# Altium PCB OpenPLCv0.2.0.PcbDoc (part 4 of 6)
Units mm, origin at the board's own origin, x right, y up, seen from the top; angles counter-clockwise.
Board outline 180 x 120 mm, 4 copper layers (Top Copper, Int1 Copper (GND), Int2 Copper (GND), Bottom Copper), stack 1.57 mm thick; 541 components, 405 nets, 1586 pads, 1395 vias.
Unrouted connection lines stored in the file: 4.
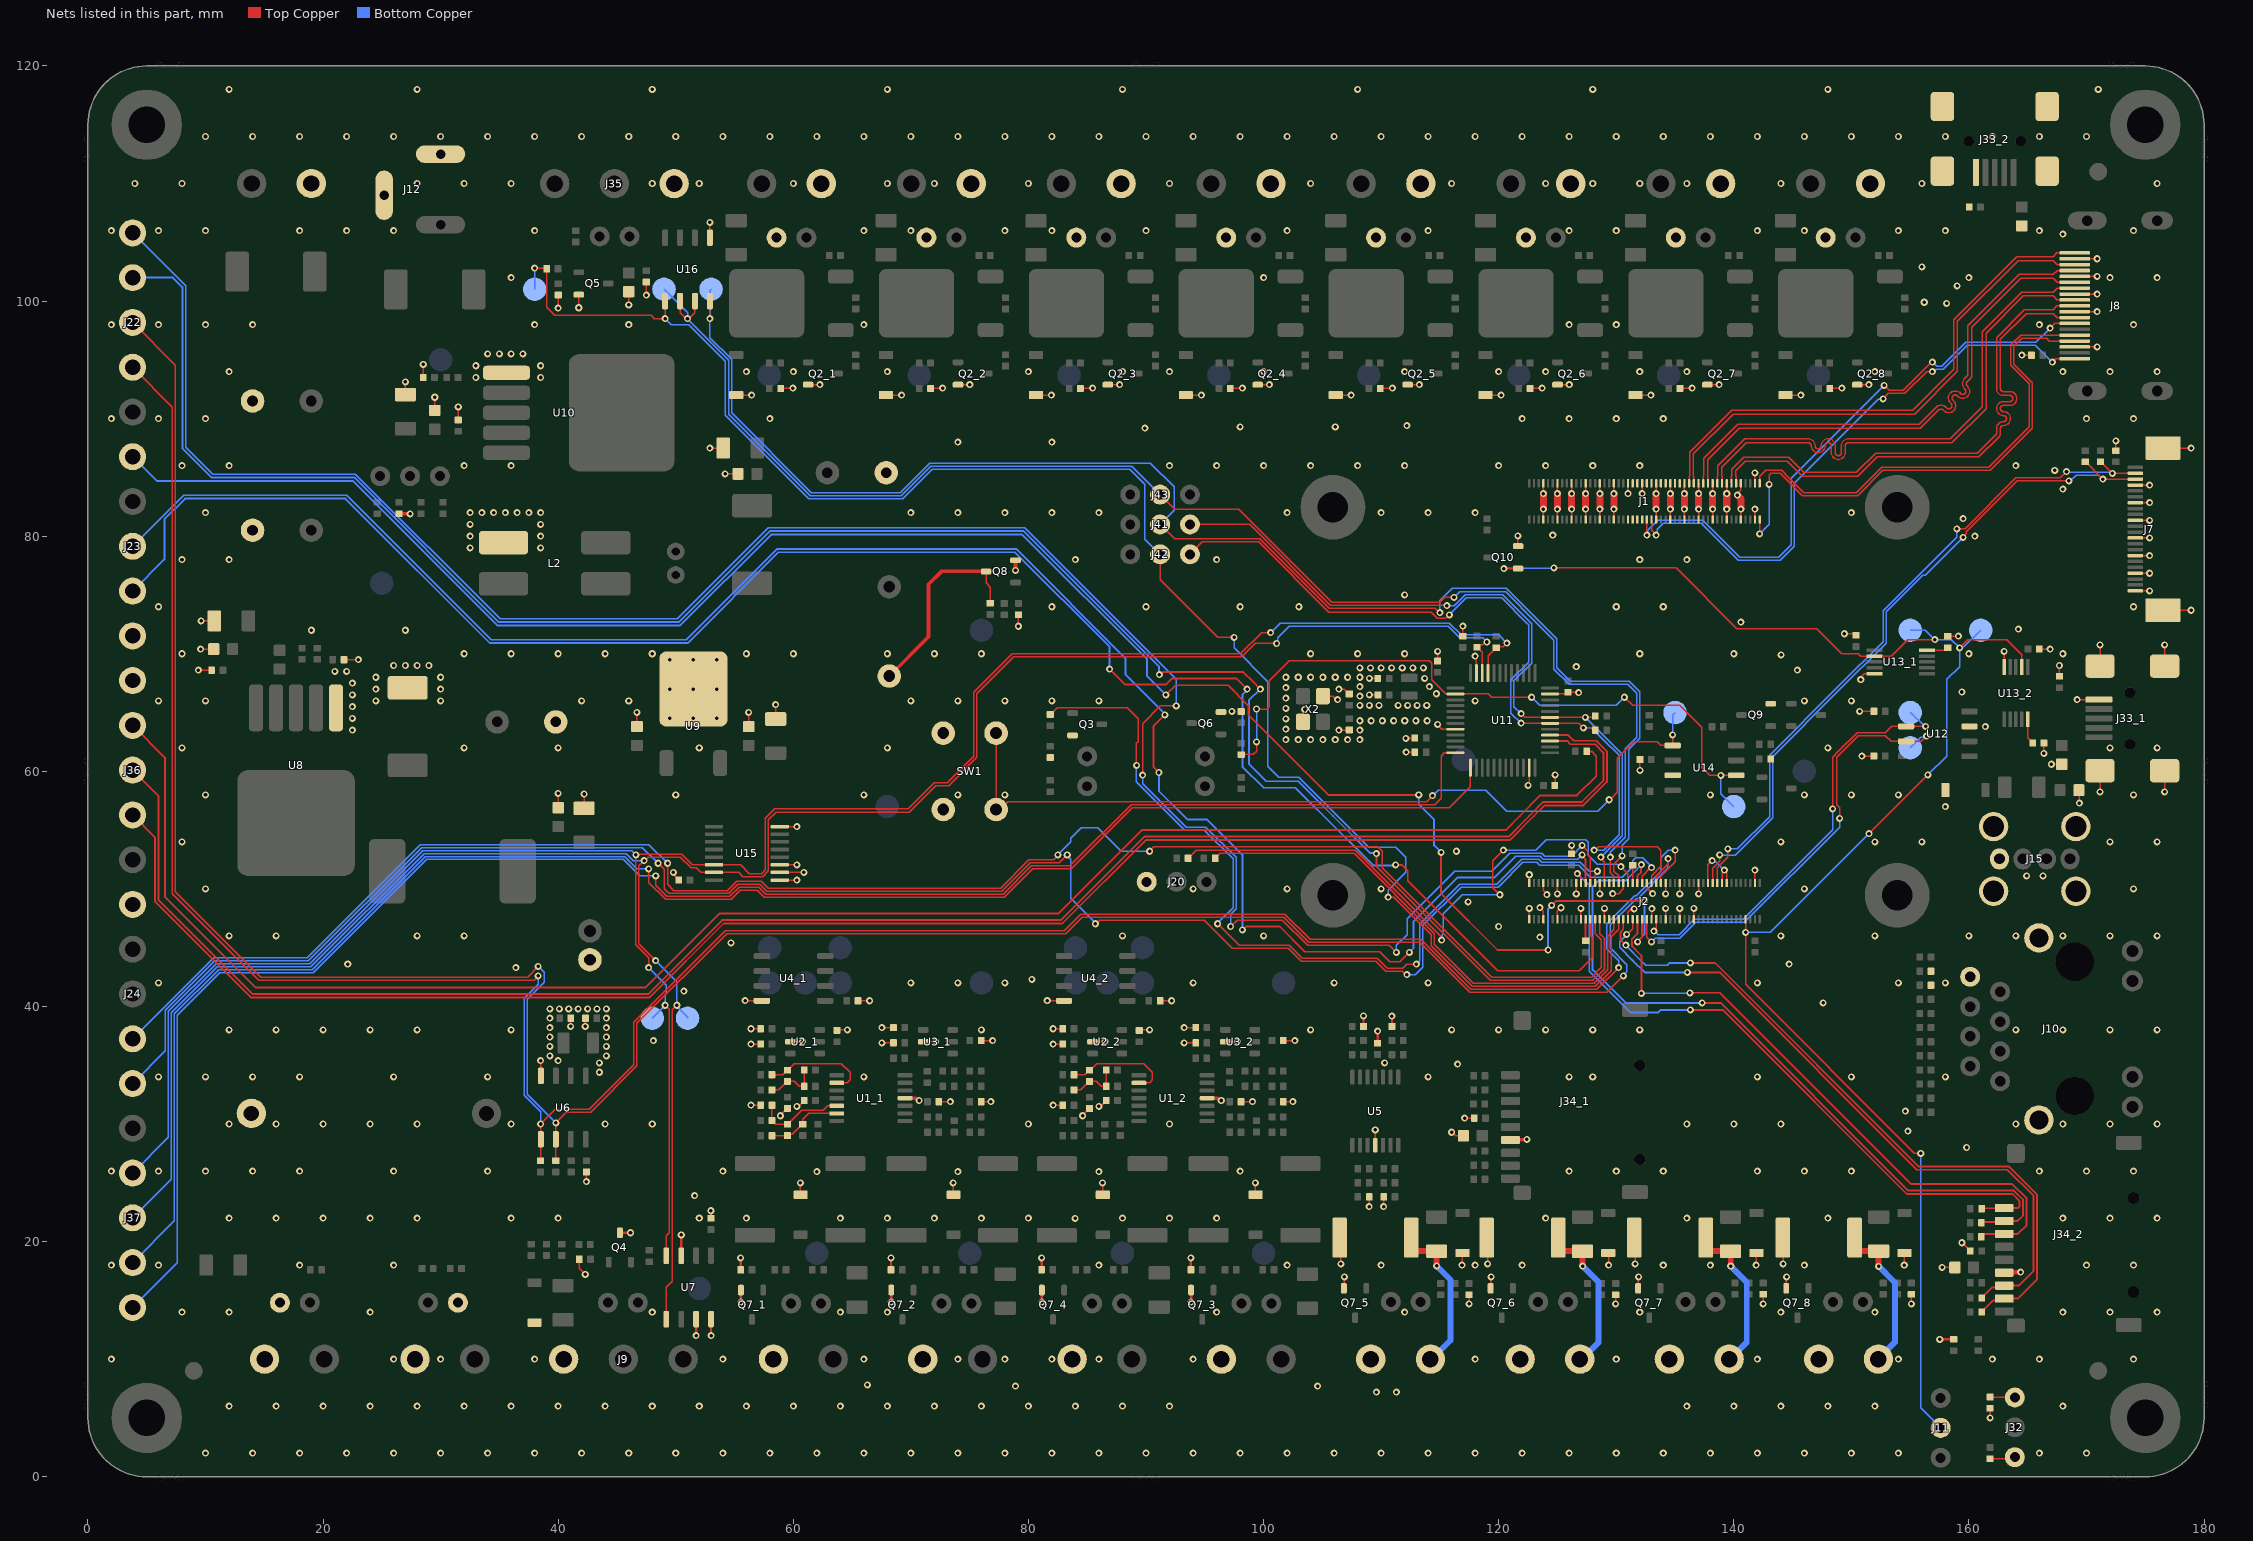
[diagram p6: the nets of this part, all layers, seen from the top]

## Via types
v1: diameter 0.6, hole 0.3, Top Copper to Bottom Copper, tented both sides, 1296 vias
v2: diameter 0.7, hole 0.3, Top Copper to Bottom Copper, tented bottom, 99 vias

## Nets (pads, with @x,y where several pads share a name; then routed paths per layer and width w, separated by ;. In a path a pad name is that pad's centre, name@x,y a point inside that pad or via, vN(x,y) a via of type N, cw(c..) or ccw(c..) an arc to the next point about the centre after c; other vN are vias at no path point) (continued)
GND: C2_1.1 C2_2.1 C3_1.1 C3_2.1 C6_1.1 C6_2.1 C7_1.1 C7_2.1 C9.1 C10.1 C11.1 C12.1 C13.1 C14.1 C15.1 C16.1 C19.1 C20.1 C21.1 C22.2 C23.1 C24.1 C25.1 C26.2 C27.2 C28.1 C29.1 C30.1 C33.1 C34.1 C35.1 C36.1 C37.1 C38.1 C39.2 C40.1 C42.1 C43.1 C44.1 C45.1 C46.1 C47.1 C48.1 C49.1 C50.1 C51.1 C52_1.1 C52_2.1 C53_1.1 C53_2.1 C54_1.1 C54_2.1 C55_1.1 C55_2.1 C56.1 C57.1 C58.1 C59.1 C60_1.2 C60_2.2 C62_1.2 C62_2.2 C63.1 D1_1.1 D1_2.1 D2_1.1 D2_2.1 D3.1 D4.1 D5.1 D6.1 D8.1 D10.1 D13.1 D16_1.1 D16_2.1 D16_3.1 D16_4.1 D16_5.1 D16_6.1 D16_7.1 D16_8.1 D17.K D18.K D20_1.K D20_2.K D20_3.K D20_4.K D20_5.K D20_6.K D20_7.K D20_8.K J1.7 J1.8 J1.13 J1.14 J1.19 J1.20 J1.25 J1.26 J1.31 J1.32 J1.37 J1.38 J1.44 J1.50 J1.55 J1.56 J1.61 J1.62 J1.67 J1.68 J1.73 J1.74 J1.79 J1.80 J1.85 J1.86 J1.91 J1.92 J1.97 J1.98 J2.1 J2.2 J2.7 J2.8 J2.13 J2.14 J2.22 J2.23 J2.32 J2.33 J2.42 J2.43 J2.52 J2.53 J2.59 J2.60 J2.65 J2.66 J2.71 J2.74 J2.98 J3_1.2 J3_2.2 J4_1.2 J4_2.2 J5.2 J6.2 J7.4 J7.7 J7.10 J7.13 J7.16 J7.19 J7.22 J7.MNT1 J7.MNT2 J8.2 J8.5 J8.8 J8.11 J8.17 J9.3 J10.0@165.95,30.34 J10.0@165.95,45.83 J10.8 J12.2 J12.3 J13.2 J15.4 J15.5 J15.6 J15.7 J15.8 J16_1.2 J16_2.2 J16_3.2 J16_4.2 J16_5.2 J16_6.2 J16_7.2 J16_8.2 J20.3 J23.1 J24.5 J27.2 J28.2 J29.2 J30.2 J31.2 J33_1.5 J33_1.6 J33_1.7 J33_1.8 J33_1.9 J33_2.5 J33_2.6 J33_2.7 J33_2.8 J33_2.9 J34_1.6 J34_2.6 J35.3 J36.5 J40.2 L2.1 Q2_1.2 Q2_2.2 Q2_3.2 Q2_4.2 Q2_5.2 Q2_6.2 Q2_7.2 Q2_8.2 Q3.2 Q4.3 Q5.2 Q6.2 Q7_1.2 Q7_2.2 Q7_3.2 Q7_4.2 Q7_5.2 Q7_6.2 Q7_7.2 Q7_8.2 Q8.2 Q9.2 Q10.2 R6_1.1 R6_2.1 R11_1.1 R11_2.1 R17_1.1 R17_2.1 R20_1.1 R20_2.1 R25.1 R26.2 R29.1 R30.2 R33.1 R34.2 R37.1 R38.2 R55.1 R62.1 R63.1 R69_1.2 R69_2.2 R69_3.2 R69_4.2 R69_5.2 R69_6.2 R69_7.2 R69_8.2 R71.1 R75.1 R78.1 R85.1 R88_1.1 R88_2.1 R88_3.1 R88_4.1 R88_5.1 R88_6.1 R88_7.1 R88_8.1 R90.1 R92.1 R94_1.1 R94_2.1 R103.1 R106.1 R108_1.1 R108_2.1 R109.1 R112_1.1 R112_2.1 R113_1.1 R113_2.1 SW1.3 SW1.4 U1_1.11 U1_2.11 U2_1.2 U2_2.2 U3_1.2 U3_2.2 U4_1.4 U4_2.4 U5.11 U6.4 U7.3 U7.7 U7.8 U8.1 U9.2 U10.1 U11.8 U11.23 U11.35 U11.47 U12.3 U13_1.5 U13_2.5 U14.3 U15.1 U15.2 U15.3 U15.8 U16.5 X2.2 X2.4 | length 280.1
  Top Copper w0.127: v1(9.4,68.6) C25.1@10.52,68.6 ; v1(9.58,70.4) C24.1@10.7,70.4 ; v1(9.63,72.8) C23.1@10.75,72.8 ; R55.1@21.78,69.5 v1(23,69.5) ; C33.1@27,92 v1(27,93.12) ; R62.1@28.52,93.5 v1(28.52,94.62) ; C34.1@29.5,90.7 v1(29.5,91.82) ; C35.1@31.5,89.88 v1(31.5,91) ; v1(38.5,35.4) 38.515,35.385 38.515,34.115 U6.4@38.53,34.1 ; C20.1@40,56.9 v1(40,58.12) ; v1(40,99.4) R78.1@40,100.52 ; v1(41.06,38.3) 41.06,38.98 C10.1@41.08,39 ; v1(41.75,99.43) Q5.2@41.75,100.55 ; R75.1@41.79,18.5 41.79,17.71 v1(42.3,17.2) ; C21.1@42.2,56.85 v1(42.2,58.07) ; v1(42.3,38.3) 42.3,38.98 C9.1@42.32,39 ; v1(42.4,25.1) C11.1@42.4,25.92 ; v1(46,99.68) C58.1@46,100.8 ; C28.1@46.7,63.8 v1(46.7,65.02) ; v1(47.5,100.5) C59.1@47.5,101.62 ; v1(49.79,51.4) 49.881,51.309 49.881,51.144 50.25,50.775 C57.1@50.25,50.75 ; v1(52.9,87.5) C38.1@54.05,87.5 ; U16.5@52.905,105.4 52.905,106.695 v1(52.91,106.7) ; v1(54.2,85.3) C37.1@55.3,85.3 ; D16_1.1@55.143,92.011 55.149,92.006 56.452,92.006 v1(56.457,92) ; v1(55.9,40.49) 55.906,40.484 57.317,40.484 U4_1.4@57.324,40.477 ; C30.1@56.2,63.8 v1(56.2,65.02) ; v1(56.4,31.6) R6_1.1@57.22,31.6 ; v1(56.4,36.8) R11_1.1@57.22,36.8 ; v1(56.4,38.1) R20_1.1@57.22,38.1 ; C29.1@58.5,64.45 v1(58.5,65.67) ; U15.1@58.85,50.75 v1(60.3,50.75) ; U15.2@58.85,51.4 v1(60.9,51.4) ; U15.3@58.85,52.05 v1(60.3,52.05) ; U15.8@58.85,55.3 v1(60.3,55.3) ; v1(58.9,30.7) 58.9,30.745 59.475,31.32 C60_1.2@59.5,31.32 ; R69_1.2@58.925,92.568 58.941,92.584 59.941,92.584 v1(59.957,92.6) ; U2_1.2@59.75,37 v1(60.8,37) ; v1(60.3,31.5) 60.391,31.591 60.536,31.591 60.92,31.975 C2_1.1@60.92,32 ; v1(60.6,25) 60.6,24.006 D1_1.1@60.624,23.982 ; Q2_1.2@61.259,92.888 61.265,92.894 62.251,92.894 v1(62.257,92.9) ; C3_1.1@63.72,37.96 63.76,38 v1(64.6,38) ; C7_1.1@65.504,40.482 v1(66.482,40.482) ; v1(67.542,36.9) R113_1.1@68.52,36.9 ; v1(67.542,38.2) R112_1.1@68.52,38.2 ; D16_2.1@67.892,92.011 67.897,92.006 69.201,92.006 v1(69.206,92) ; U3_1.2@71.05,37 v1(72.1,37) ; R69_2.2@71.674,92.568 71.69,92.584 72.69,92.584 v1(72.706,92.6) ; C62_1.2@72.38,31.9 v1(73.358,31.9) ; v1(73.6,25) 73.6,24.006 D2_1.1@73.624,23.982 ; Q2_2.2@74.008,92.888 74.014,92.894 75,92.894 v1(75.006,92.9) ; R17_1.1@75.98,31.9 v1(76.8,31.9) ; C6_1.1@75.98,37.1 v1(76.958,37.1) ; Q8.2@78.675,77.95 Q8.2@78.9,77.95 ; v1(79.15,72.342) R103.1@79.15,73.32 ; D16_3.1@80.641,92.011 80.646,92.006 81.95,92.006 v1(81.955,92) ; v1(81.6,40.49) 81.606,40.484 83.017,40.484 U4_2.4@83.024,40.477 ; v1(82.1,31.6) R6_2.1@82.92,31.6 ; v1(82.1,36.8) R11_2.1@82.92,36.8 ; v1(82.1,38.1) R20_2.1@82.92,38.1 ; R69_3.2@84.423,92.568 84.439,92.584 85.439,92.584 v1(85.455,92.6) ; v1(84.6,30.7) 84.6,30.745 85.175,31.32 C60_2.2@85.2,31.32 ; U2_2.2@85.45,37 v1(86.5,37) ; v1(86,31.5) 86.091,31.591 86.236,31.591 86.62,31.975 C2_2.1@86.62,32 ; v1(86.3,25) 86.3,24.006 D1_2.1@86.324,23.982 ; Q2_3.2@86.757,92.888 86.763,92.894 87.749,92.894 v1(87.755,92.9) ; C3_2.1@89.42,37.96 89.46,38 v1(90.3,38) ; C7_2.1@91.204,40.482 v1(92.182,40.482) ; v1(93.242,36.9) R113_2.1@94.22,36.9 ; v1(93.242,38.2) R112_2.1@94.22,38.2 ; D16_4.1@93.39,92.011 93.395,92.006 94.699,92.006 v1(94.704,92) ; U3_2.2@96.75,37 v1(97.8,37) ; R69_4.2@97.172,92.568 97.188,92.584 98.188,92.584 v1(98.204,92.6) ; C62_2.2@98.08,31.9 v1(99.058,31.9) ; v1(99.3,25) 99.3,24.006 D2_2.1@99.324,23.982 ; Q2_4.2@99.506,92.888 99.512,92.894 100.498,92.894 v1(100.504,92.9) ; R17_2.1@101.68,31.9 v1(102.5,31.9) ; C6_2.1@101.68,37.1 v1(102.658,37.1) ; X2.2@103.35,64.2 103.5,64.35 v1(103.5,65.273) ; X2.4@105.05,66.4 105.906,66.4 106.206,66.1 v1(106.3,66.1) ; D16_5.1@106.139,92.011 106.144,92.006 107.448,92.006 v1(107.453,92) ; v1(106.4,63.5) 107.28,63.5 C49.1@107.3,63.52 ; v1(106.4,67) 106.419,66.981 106.874,66.981 107.275,66.58 C48.1@107.3,66.58 ; R25.1@106.554,20.332 106.58,20.306 v1(106.58,18.1) ; Q7_5.2@106.84,16.027 106.86,16.047 106.86,16.98 v1(106.88,17) ; v1(108.98,22.98) R38.2@108.98,23.8 ; v1(108.995,66.5) C36.1@109.74,66.5 ; v1(108.995,67.9) C19.1@109.72,67.9 ; U5.11@109.5,28.2 v1(109.5,29.5) ; R69_5.2@109.921,92.568 109.937,92.584 110.937,92.584 v1(110.953,92.6) ; v1(110.22,22.98) R34.2@110.22,23.8 ; v1(112.1,62.8) C45.1@112.84,62.8 ; v1(112.13,61.63) C43.1@112.87,61.63 ; Q2_5.2@112.255,92.888 112.261,92.894 113.247,92.894 v1(113.253,92.9) ; v1(114.8,64) 114.8,63.963 115.173,63.59 116.315,63.59 U11.8@116.325,63.58 ; C47.1@114.8,69.38 v1(114.8,70.2) ; v1(116,29.3) 116.034,29.3 116.334,29 C54_1.1@117,29 ; v1(116.88,18) 116.88,19.008 D3.1@116.904,19.032 ; C46.1@116.95,71.49 v1(116.95,72.35) ; v1(117.1,30.5) C55_1.1@117.92,30.5 ; v1(117.48,14.7) R88_5.1@117.48,15.52 ; v1(118,69.8) 118.1,69.7 U11.47@118.1,68.355 ; D16_6.1@118.888,92.011 118.893,92.006 120.197,92.006 v1(120.202,92) ; R29.1@119.024,20.332 119.05,20.306 v1(119.05,18.1) ; Q7_6.2@119.31,16.027 119.33,16.047 119.33,16.98 v1(119.35,17) ; v1(121.625,80.03) 121.625,79.175 Q10.2@121.65,79.15 ; v1(122.5,58.8) 122.5,58.928 122.6,59.028 U11.23@122.6,60.305 ; J2.1@122.6,47.42 v1(122.6,48.34) ; J2.2@122.6,50.5 v1(122.6,51.2) ; R69_6.2@122.67,92.568 122.686,92.584 123.686,92.584 v1(123.702,92.6) ; v1(123.5,48.4) 123.8,48.1 J2.7@123.8,47.42 ; J2.8@123.8,50.5 123.8,49.902 124.096,49.606 v1(124.096,49.504) ; J1.7@123.8,81.42 v1(123.8,82.3) ; v1(123.8,83.62) J1.8@123.8,84.5 ; U11.35@124.375,66.58 125.76,66.58 C44.1@125.9,66.72 125.91,66.71 v1@126.79,66.71 ; C42.1@124.78,58.8 124.8,58.82 v1(124.8,59.7) ; J2.13@125,47.42 125,48.105 125.288,48.393 v1(125.3,48.393) ; v1(125,49.58) J2.14@125,50.5 ; J1.13@125,81.42 v1(125,82.3) ; v1(125,83.62) J1.14@125,84.5 ; Q2_6.2@125.004,92.888 125.01,92.894 125.996,92.894 v1(126.002,92.9) ; R90.1@126.2,52.98 v1(126.2,53.7) ; J1.19@126.2,81.42 v1(126.2,82.3) ; v1(126.2,83.62) J1.20@126.2,84.5 ; v1(126.6,49.58) J2.22@126.6,50.5 ; J2.23@127,47.42 v1(127,48.34) ; J1.25@127.4,81.42 v1(127.4,82.3) ; v1(127.4,83.62) J1.26@127.4,84.5 ; v1(128.6,49.58) J2.32@128.6,50.5 ; J1.31@128.6,81.42 v1(128.6,82.3) ; v1(128.6,83.62) J1.32@128.6,84.5 ; J2.33@129,47.42 v1(129,48.34) ; v1(129.35,18) 129.35,19.008 D4.1@129.374,19.032 ; v1(129.7,49.6) 130.2,49.6 130.6,50 J2.42@130.6,50.5 ; J1.37@129.8,81.42 v1(129.8,82.3) ; v1(129.8,83.62) J1.38@129.8,84.5 ; v1(129.95,14.7) R88_6.1@129.95,15.52 ; J2.43@131,47.42 131,48 131.292,48.292 v1(131.527,48.292) ; v1(131,83.62) J1.44@131,84.5 ; R33.1@131.574,20.332 131.6,20.306 v1(131.6,18.1) ; D16_7.1@131.637,92.011 131.642,92.006 132.946,92.006 v1(132.951,92) ; Q7_7.2@131.86,16.027 131.88,16.047 131.88,16.98 v1(131.9,17) ; v1(132.02,60.08) C56.1@132.02,61 ; v1(132.2,83.62) J1.50@132.2,84.5 ; J2.52@132.6,50.5 132.637,50.463 132.637,50.063 v1(133.1,49.6) ; J2.53@133,47.42 133.012,47.432 133.012,48.314 v1(133.023,48.326) ; J1.55@133.4,81.42 v1(133.4,82.3) ; v1(133.4,83.62) J1.56@133.4,84.5 ; J2.59@134.2,47.42 v1(134.2,48.34) ; v1(134.2,49.58) J2.60@134.2,50.5 ; J1.61@134.6,81.42 v1(134.6,82.3) ; v1(134.6,83.62) J1.62@134.6,84.5 ; J2.65@135.4,47.42 v1(135.4,48.34) ; v1(135.4,49.58) J2.66@135.4,50.5 ; R69_7.2@135.419,92.568 135.435,92.584 136.435,92.584 v1(136.451,92.6) ; J1.67@135.8,81.42 v1(135.8,82.3) ; v1(135.8,83.62) J1.68@135.8,84.5 ; J2.71@136.6,47.42 v1(136.6,48.34) ; v1(137,49.58) J2.74@137,50.5 ; J1.73@137,81.42 v1(137,82.3) ; v1(137,83.62) J1.74@137,84.5 ; Q2_7.2@137.753,92.888 137.759,92.894 138.745,92.894 v1(138.751,92.9) ; J1.79@138.2,81.42 v1(138.2,82.3) ; v1(138.2,83.62) J1.80@138.2,84.5 ; J1.85@139.4,81.42 v1(139.4,82.3) ; v1(139.4,83.62) J1.86@139.4,84.5 ; v1(140.3,83.5) 140.3,83.594 140.6,83.894 J1.92@140.6,84.5 ; J1.91@140.6,81.42 v1(140.6,82.3) ; J2.98@141.8,50.5 v1(141.8,51.6) ; J1.97@141.8,81.42 v1(141.8,82.3) ; J1.98@141.8,84.5 v1(141.8,85.38) ; v1(141.9,18) 141.9,19.008 D5.1@141.924,19.032 ; v1(142.5,14.7) R88_7.1@142.5,15.52 ; R37.1@144.174,20.332 144.2,20.306 v1(144.2,18.1) ; D16_8.1@144.386,92.011 144.391,92.006 145.695,92.006 v1(145.7,92) ; Q7_8.2@144.46,16.027 144.48,16.047 144.48,16.98 v1(144.5,17) ; R69_8.2@148.168,92.568 148.184,92.584 149.184,92.584 v1(149.2,92.6) ; v1(149.4,71.7) 150.28,71.7 C52_1.1@150.4,71.58 ; Q2_8.2@150.502,92.888 150.508,92.894 v1(151.494,92.894) ; v1(150.7,65.1) C51.1@151.92,65.1 ; v1(150.8,67.8) 150.8,68 151.1,68.3 U13_1.5@151.975,68.3 ; v1(150.9,61.3) C50.1@151.92,61.3 ; v1(154.5,18) 154.5,19.008 D6.1@154.524,19.032 ; v1(155.1,14.7) R88_8.1@155.1,15.52 ; v1(157.72,17.8) C54_2.1@158.8,17.8 ; R94_1.1@158.2,71.48 158.22,71.5 v1(159.1,71.5) ; v1(159.4,19.9) 159.445,19.9 160.12,19.225 C55_2.1@160.12,19.2 ; v1(161.8,5) R109.1@161.8,5.82 ; J34_2.6@163,17.35 J34_2.6@163.05,17.4 ; U13_2.5@163,68.875 v1(163,70.2) ; v1(164.5,95.4) C13.1@165.32,95.4 ; C52_2.1@165.98,70.4 v1(166.9,70.4) ; v1(166.38,61.52) R94_2.1@166.38,62.4 ; v1(167.02,60.6) C53_1.1@167.9,60.6 ; R108_1.1@167.7,68.08 v1(167.7,69) ; J8.17@169,96.1 v1(170.9,96.1) ; J8.11@169,99.1 v1(170.9,99.1) ; J8.8@169,100.6 v1(170.9,100.6) ; J8.5@169,102.1 v1(170.9,102.1) ; J8.2@169,103.6 v1(170.9,103.6) ; v1(169.2,66.1) J33_1.5@171.05,66.1 ; C40.1@169.35,58.4 169.4,58.35 v1(169.4,57.3) ; v1(171.15,58.25) J33_1.7@171.15,60.05 ; J33_1.8@171.15,68.95 v1(171.15,70.75) ; C12.1@172.5,87.28 v1(172.5,88.1) ; J7.22@174.15,75.35 v1(175.375,75.35) ; J7.19@174.15,76.85 v1(175.375,76.85) ; J7.16@174.15,78.35 v1(175.375,78.35) ; J7.13@174.15,79.85 v1(175.375,79.85) ; J7.10@174.15,81.35 v1(175.375,81.35) ; J7.7@174.15,82.85 v1(175.375,82.85) ; J7.4@174.15,84.35 v1(175.375,84.35) ; J7.MNT2@176.5,73.7 v1(178.9,73.7) ; J7.MNT1@176.5,87.5 v1(178.9,87.5) ; v1(176.65,58.25) J33_1.6@176.65,60.05 ; J33_1.9@176.65,68.95 v1(176.65,70.75)
  Top Copper w0.2: Q4.3@45.25,20.75 v1(46.15,20.75) ; U7.3@50.465,18.8 v1(50.465,20.565) ; v1(51.73,12) 51.733,12.002 51.733,13.398 U7.7@51.735,13.4 ; v1(52.995,22.62) 52.998,22.617 52.998,21.982 C14.1@53,21.98 ; v1(53,12) 53.003,12.002 53.003,13.398 U7.8@53.005,13.4 ; R88_1.1@55.52,17.6 v1(55.52,18.62) ; v1(55.54,14.857) Q7_1.2@55.54,15.877 ; R88_2.1@68.31,17.6 v1(68.31,18.62) ; v1(68.33,14.857) Q7_2.2@68.33,15.877 ; R88_4.1@81.12,17.6 v1(81.12,18.62) ; v1(81.14,14.857) Q7_4.2@81.14,15.877 ; R88_3.1@93.82,17.6 v1(93.82,18.62) ; v1(93.84,14.857) Q7_3.2@93.84,15.877 ; R30.2@108.5,38.3 v1(108.5,39.2) ; C63.1@109.7,36.88 v1(109.7,37.9) ; R26.2@110.92,38.3 v1(110.92,39.18) ; v1(157.52,11.68) R92.1@158.7,11.68
  Top Copper w0.3: R63.1@26.467,81.92 26.487,81.9 v1(27.4,81.9) ; U1_1.11@69.5,32.2 70.419,32.2 70.619,32 v1(70.7,32) ; Q8.2@78.675,77.95 78.8,77.95 78.9,77.85 v1(78.9,77.1) ; U1_2.11@95.2,32.2 96.119,32.2 96.319,32 v1(96.4,32) ; J34_1.6@121,28.65 121.025,28.675 122.375,28.675 v1(122.4,28.7)
  Top Copper w0.4: J34_2.6@163.05,17.4 v1(164.4,17.4)
  Top Copper w0.6: v1(123.8,82.3) v1(123.8,83.62) ; v1(125,82.3) v1(125,83.62) ; v1(126.2,82.3) v1(126.2,83.62) ; v1(127.4,82.3) v1(127.4,83.62) ; v1(128.6,82.3) v1(128.6,83.62) ; v1(129.8,82.3) v1(129.8,83.62) ; v1(133.4,82.3) v1(133.4,83.62) ; v1(134.6,82.3) v1(134.6,83.62) ; v1(135.8,82.3) v1(135.8,83.62) ; v1(137,82.3) v1(137,83.62) ; v1(138.2,82.3) v1(138.2,83.62) ; v1(139.4,82.3) v1(139.4,83.62) ; v1(140.3,83.5) 140.6,83.2 v1(140.6,82.3)
  other v1: 10,2 14,2 18,2 22,2 26,2 30,2 34,2 38,2 42,2 46,2 50,2 54,2 58,2 62,2 66,2 70,2 74,2 78,2 82,2 86,2 90,2 94,2 98,2 102,2 106,2 110,2 114,2 118,2 122,2 126,2 130,2 134,2 138,2 142,2 146,2 150,2 154,2 166,2 170,2 12,6 16,6 20,6 24,6 28,6 32,6 36,6 40,6 44,6 48,6 52,6 56,6 60,6 64,6 68,6 72,6 76,6 80,6 84,6 88,6 92,6 136,6 140,6 144,6 148,6 152,6 168,6 109.6,7.2 111.3,7.2 78.9,7.7 104.6,7.7 66.3,7.8 2,10 26,10 30,10 38,10 54,10 66,10 74,10 78,10 82,10 86,10 94,10 118,10 130,10 142,10 154,10 162,10 166,10 174,10 8,14 12,14 24,14 48,14 64,14 68,14 96,14 112,14 132,14 144,14 152,14 168,14 172,14 176,14 2,18 6,18 18,18 26,18 86,18 102,18 110,18 118,18 122,18 134,18 138,18 146,18 170,18 174,18 83.974,21.974 12,22 16,22 20,22 24,22 28,22 36,22 40,22 52,22 56,22 64,22 68,22 72,22 76,22 80,22 88,22 92,22 96.001,22 124,22 136,22 148,22 168,22 172,22 176,22 51.6,23.9 62,25.955 74,25.955 86,25.955 2,26 6,26 10,26 14,26 18,26 26,26 34,26 54,26 98,26 126,26 130,26 134,26 142,26 146,26 150,26 166,26 170,26 174,26 159.8,28 154.8,29.4 12,30 16,30 20,30 24,30 28,30 36,30 44,30 48,30 80,30 92,30 136,30 140,30 144,30 164,30 168,30 172,30 176,30 154.6,31.1 6,34 10,34 14,34 18,34 26,34 34,34 66,34 114,34 126,34 128,34 142,34 150,34 158,34 43.5,34.4 116.5,35.1 43.5,35.2 110.3,35.2 40,35.4 39.3,35.8 44.1,35.8 39.3,36.6 44.1,36.6 48.1,37.1 39.3,37.4 44.1,37.4 12,38 16,38 20,38 24,38 28,38 36,38 76,38 104,38 116,38 120,38 124,38 128,38 132,38 164,38 168,38 172,38 176,38 39.3,38.2 44.1,38.2 39.3,39 44.1,39 39.3,39.8 40.1,39.8 40.9,39.8 41.7,39.8 42.5,39.8 43.3,39.8 44.1,39.8 147.6,40.3 50.7,41.3 6,42 70,42 74,42 78,42 94,42 106,42 114,42 142,42 154,42 158,42 80.3,42.3 36.4,43.3 22.1,43.6 144.7,43.6 54.7,45.4 123.5,45.9 12,46 16,46 28,46 32,46 88,46 100,46 144,46 152,46 160,46 164,46 168,46 172,46 176,46 120,46.8 117.4,48.9 10,50 94,50 102,50 110,50 146,50 174,50 164.9,51.1 166.3,51.1 116.4,53.2 8,54 144,54 152,54 156,54 172,54 176,54 158,57 10,58 50,58 66,58 74,58 78,58 138,58 146,58 150,58 154,58 174,58 8,62 32,62 40,62 52,62 68,62 148,62 172,62 176,62 101.9,62.7 102.95,62.7 104,62.7 105.05,62.7 106.1,62.7 107.15,62.7 108.2,62.7 22.5,63.5 108.2,63.5 101.9,63.583 161.4,63.8 108.2,64.3 109.152,64.3 110.104,64.3 111.057,64.3 112.009,64.3 112.961,64.3 113.913,64.3 101.9,64.467 22.5,64.5 97.3,65.1 101.9,65.35 22.5,65.5 108.195,65.6 109.007,65.6 109.82,65.6 111.445,65.6 112.257,65.6 113.069,65.6 113.882,65.6 6,66 10,66 24.5,66 30,66 42,66 46,66 70,66 74,66 78,66 82,66 86,66 118,66 146,66 150,66 101.9,66.233 108.195,66.4 22.5,66.5 114.7,66.6 126.8,66.7 159.394,66.747 24.5,67 30,67 101.9,67.117 108.195,67.2 114.1,67.2 22.5,67.5 113.7,67.9 24.5,68 30,68 101.9,68 102.949,68 103.998,68 105.048,68 106.097,68 107.146,68 108.195,68 21,68.5 22,68.5 145.4,68.6 108.195,68.8 109.096,68.8 109.997,68.8 110.897,68.8 111.798,68.8 112.699,68.8 113.6,68.8 126.6,68.9 26,69 27,69 28,69 29,69 144.033,69.91 8,70 32,70 36,70 40,70 44,70 48,70 56,70 60,70 68,70 72,70 76,70 104,70 108,70 112,70 132,70 140,70 160,70 168,70 19,72 27,72 164.2,72.1 140.6,72.7 6,74 82,74 90,74 98,74 103,74 130,74 134,74 174,74 112,75 8,78 12,78 84,78 96,78 132,78 136,78 32.5,79 38.5,79 32.5,80 38.5,80 160.5,80 124.6,80.1 32.5,81 38.5,81 159.5,81.5 10,82 32.5,82 33.5,82 34.5,82 35.5,82 36.5,82 37.5,82 38.5,82 70,82 74,82 78,82 82,82 86,82 102,82 110,82 114,82 118,82 150,82 168,84 167.3,85.6 8,86 12,86 32,86 36,86 92,86 96,86 100,86 104,86 108,86 112,86 120,86 124,86 128,86 132,86 164,86 74,88 82,88 89.9,89.2 98,89.3 106.1,89.3 112.2,89.4 2,90 6,90 10,90 58,90 122,90 126,90 130,90 134,90 170,90 174,90 33,93.5 38.5,93.5 12,94 56,94 60,94 68,94 80,94 88,94 92,94 100,94 112,94 120,94 124,94 132,94 136,94 152,94 168,94 172,94 176,94 33,94.5 38.5,94.5 34,95.5 35,95.5 36,95.5 37,95.5 2,98 6,98 10,98 14,98 38,98 46,98 66,98 126,98 130,98 166,98 174,98 158.1,99.8 156.2,99.9 159,101.3 36,102 100,102 160,102 172,102 176,102 156,102.9 168,105.7 2,106 6,106 10,106 18,106 22,106 26,106 38,106 66,106 70,106 78,106 82,106 90,106 102,106 114,106 126,106 130,106 142,106 146,106 154,106 158,106 166,106 174,106 4,110 8,110 28,110 32,110 36,110 48,110 52,110 60,110 68,110 72,110 80,110 92,110 104,110 116,110 124,110 128,110 132,110 136,110 144,110 156,110 176,110 10,114 14,114 18,114 22,114 26,114 30,114 34,114 38,114 42,114 46,114 50,114 54,114 58,114 62,114 66,114 70,114 74,114 78,114 82,114 86,114 90,114 94,114 98,114 102,114 106,114 110,114 114,114 118,114 122,114 126,114 130,114 134,114 138,114 142,114 146,114 150,114 154,114 158,114 162,114 166,114 170,114 12,118 28,118 48,118 68,118 88,118 108,118 128,118 148,118 171,118
  other v2: 49.5,64.5 51.5,64.5 53.5,64.5 49.5,67 51.5,67 53.5,67 49.5,69.5 51.5,69.5 53.5,69.5
GPIO2: J2.58 J22.2 R115.1 U6.5 | length 218.5
  Top Copper w0.127: J22.2@3.8,94.37 7.19,90.98 7.19,49.578 14.522,42.246 37.946,42.246 v1(38.3,42.6) ; R115.1@38.5,26.88 38.53,26.91 U6.5@38.53,28.7 38.515,28.715 38.515,29.985 v1(38.5,30) 39.754,31.254 42.654,31.254 46.446,35.046 46.446,38.672 54.228,46.454 83.054,46.454 84.454,47.854 101.805,47.854 103.959,45.7 113.382,45.7 117.634,41.448 128.348,41.448 v1(130.2,43.3) ; J2.58@133.8,50.5 133.8,51.094 135,52.294 v1(135,53.3)
  Bottom Copper w0.127: v1(38.3,42.6) 38.3,41.9 37.1,40.7 37.1,32.441 38.5,31.041 v1(38.5,30) ; v1(130.2,43.3) 130.2,43.9 129.2,44.9 129.2,47.017 131.587,49.405 131.704,49.405 133.777,51.478 133.777,52.636 134.442,53.3 v1(135,53.3)
GPIO3: J2.56 J22.3 R114.1 U6.6 | length 221.2
  Top Copper w0.127: J22.3@3.8,98.18 7.444,94.536 7.444,49.757 14.702,42.5 37.4,42.5 v1(38.3,43.4) ; R114.1@39.8,26.88 U6.6@39.8,28.7 v1(39.8,30.1) 40.7,31 42.759,31 46.7,34.941 46.7,38.566 54.334,46.2 83.159,46.2 84.559,47.6 101.7,47.6 102.086,47.214 103.854,45.446 113.276,45.446 117.529,41.194 129.194,41.194 v1(130.6,42.6) ; J2.56@133.4,50.5 133.4,51.112 134.368,52.079 134.368,52.532 v1(134.405,52.57)
  Bottom Copper w0.127: v1(38.3,43.4) 38.8,42.9 38.8,42.041 37.354,40.595 37.354,32.546 v1(39.8,30.1) ; v1(130.6,42.6) 130.6,42.658 130.9,42.958 130.9,43.559 129.471,44.989 129.471,46.929 131.693,49.151 131.81,49.151 134.4,51.741 134.4,52.565 v1(134.405,52.57)
GPIO4: J2.54 J42.1 R118.1 U11.30 | length 72
  Top Copper w0.127: J42.1@93.74,78.46 94.795,79.516 99.584,79.516 105.554,73.546 114.254,73.546 114.79,73.01 115.502,73.01 115.793,73.3 v1(115.8,73.3) ; v1(121.9,64.1) 121.91,64.09 124.365,64.09 U11.30@124.375,64.08 126.797,64.08 127.177,63.7 128.02,63.7 R118.1@128.22,63.5 ; v1(128.125,53.3) 128.219,53.3 128.519,53.6 133.5,53.6 133.8,53.3 133.8,51.906 133,51.106 J2.54@133,50.5
  Bottom Copper w0.127: v1(115.8,73.3) 117.246,74.746 120.254,74.746 122.4,72.6 122.538,72.462 122.538,69.297 121.046,67.805 121.046,64.954 v1(121.9,64.1) ; v1(127.2,63.7) 127.893,63.7 128.9,62.693 130.246,61.347 130.246,54.605 128.941,53.3 v1(128.125,53.3)
GPIO5: J2.34 J41.1 R119.1 U11.31 | length 64.6
  Top Copper w0.127: J41.1@93.74,81 98.818,81 105.687,74.131 115.569,74.131 v1(115.6,74.1) ; v1(121.9,64.9) 121.918,64.9 122.238,64.58 v1(127.372,64.58) 128.1,64.58 R119.1@128.22,64.7 ; v1(128.7,52.7) 128.7,52.594 129,52.294 J2.34@129,50.5
  Bottom Copper w0.127: v1(115.6,74.1) 116.241,74.1 117.141,75 120.359,75 122.792,72.567 122.792,69.192 121.3,67.7 121.3,65.5 v1(121.9,64.9) ; v1(127.372,64.58) 130.5,61.452 130.5,54.5 129.7,53.7 v1(128.7,52.7)